# Altium PCB MANOPOLATORE_2040_ZERO.PcbDoc (part 2 of 2)
Units mil, origin at the board's own origin, x right, y up, seen from the top; angles counter-clockwise.
Board outline 5708.66 x 5708.66 mil, 2 copper layers (Top Layer, Bottom Layer), stack 65.792 mil thick; 147 components, 98 nets, 664 pads, 80 vias.
Unrouted connection lines stored in the file: 75.
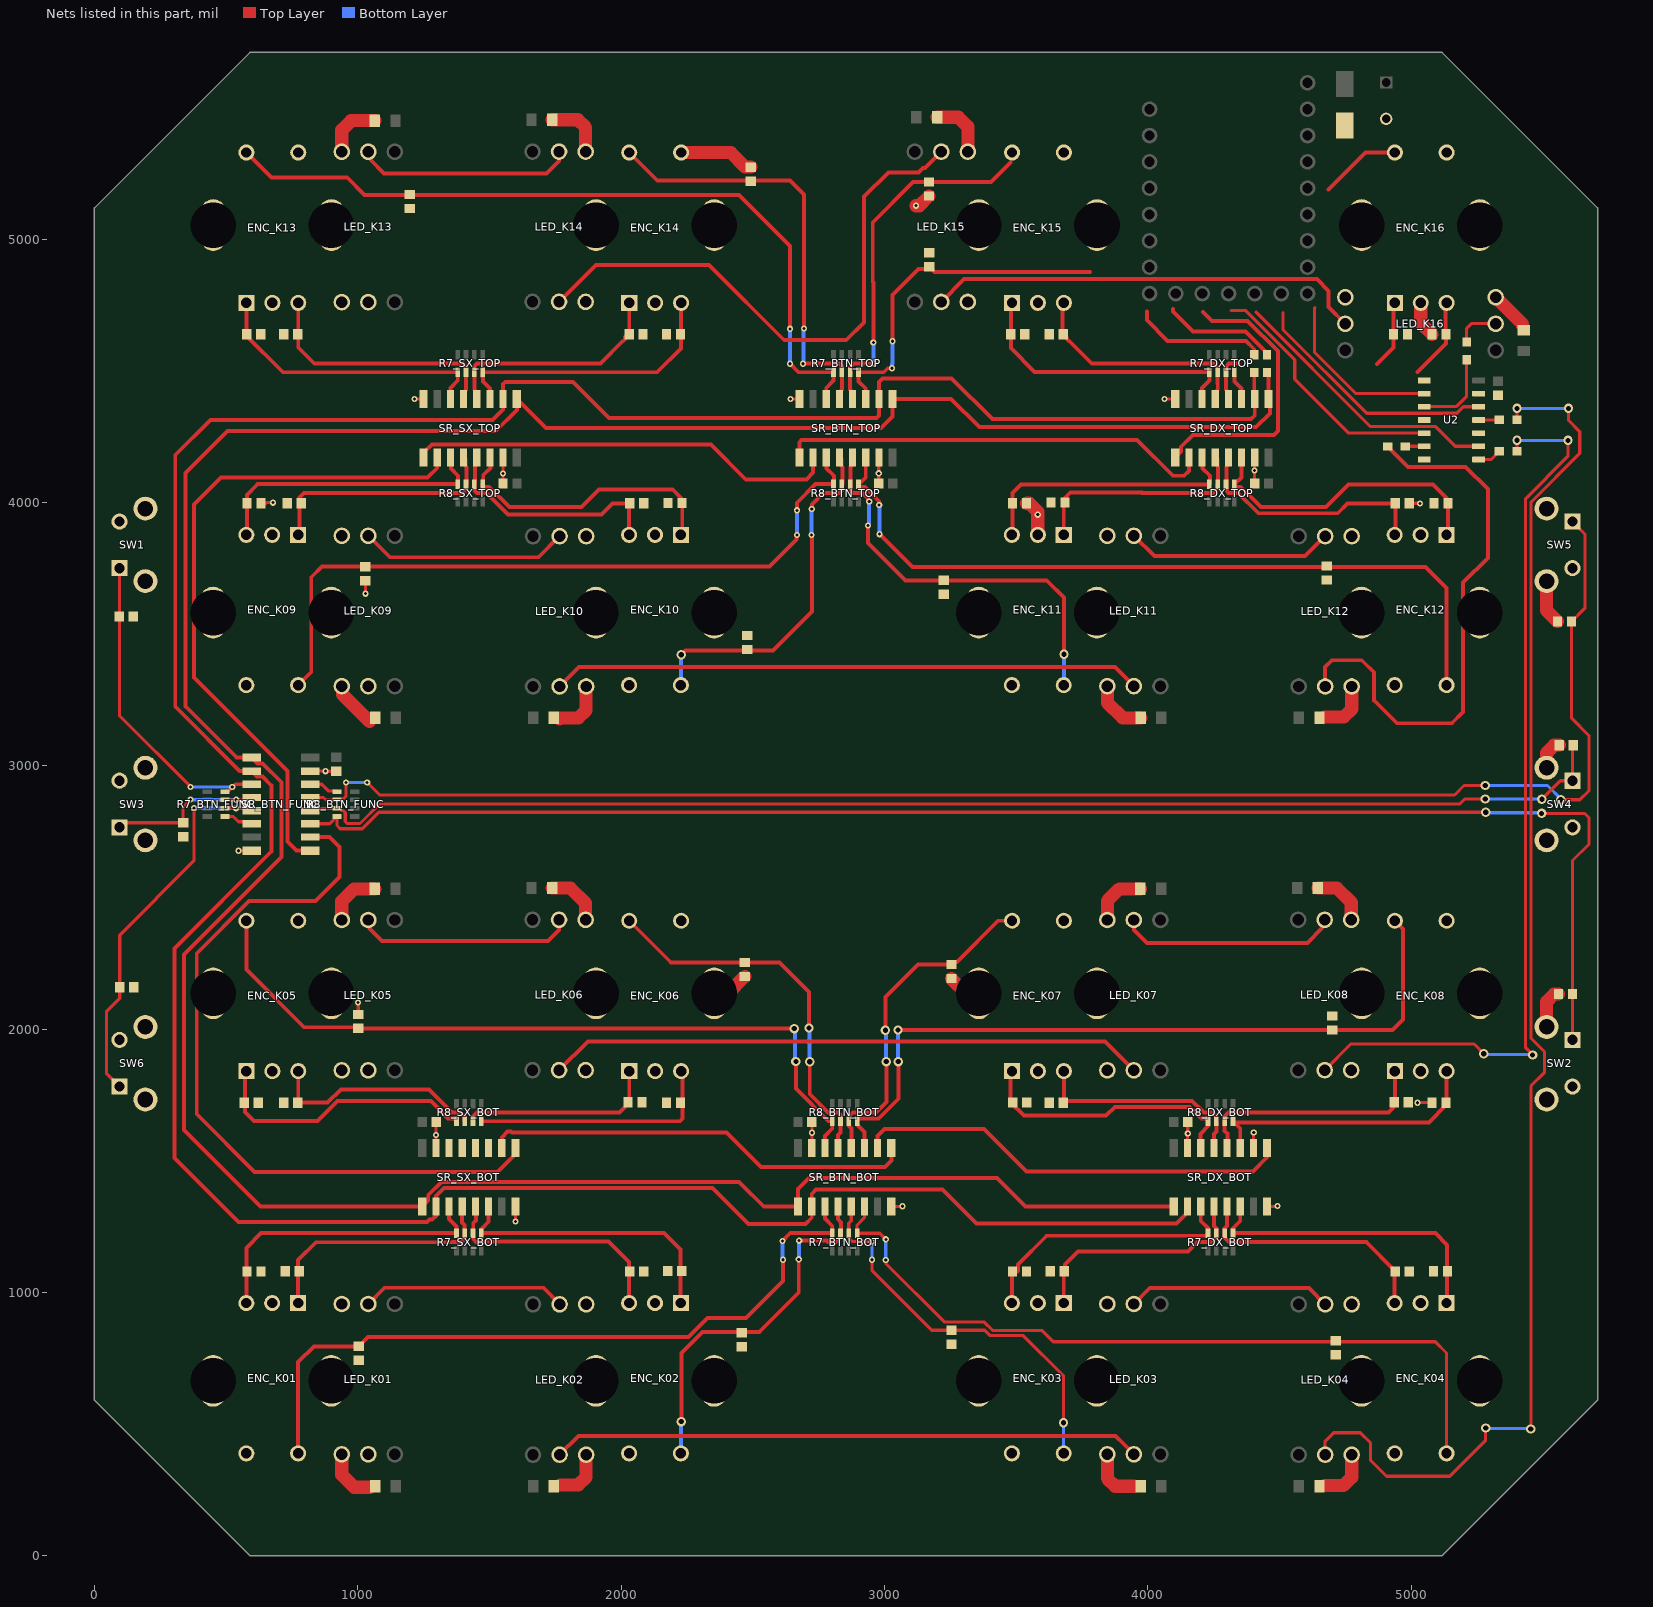
[diagram p2: the nets of this part, all layers, seen from the top]

## Via types
v1: diameter 23.62, hole 11.81, Top Layer to Bottom Layer, tented both sides, 54 vias
v2: diameter 35.43, hole 19.68, Top Layer to Bottom Layer, tented both sides, 26 vias

## Nets (pads, with @x,y where several pads share a name; then routed paths per layer and width w, separated by ;. In a path a pad name is that pad's centre, name@x,y a point inside that pad or via, vN(x,y) a via of type N, cw(c..) or ccw(c..) an arc to the next point about the centre after c; other vN are vias at no path point) (continued)
CP: R3.2 SR_BTN_BOT.2 SR_BTN_FUNC.2 SR_BTN_TOP.2 SR_DX_BOT.2 SR_DX_TOP.2 SR_SX_BOT.2 SR_SX_TOP.2 | length 12012.3
  Top Layer w15: SR_BTN_FUNC.2@597.09,2979.33 551.93,2979.33 307.2,3224.06 307.2,4179.41 441.06,4313.27 1512.24,4313.27 1552.17,4353.19 SR_SX_TOP.2@1552.17,4392.72 1552.17,4448.81 1560.95,4457.6 1817.72,4457.6 1954.53,4320.79 2970.54,4320.79 2979.33,4329.57 SR_BTN_TOP.2@2979.33,4392.72 2979.33,4457.72 2992.71,4471.09 3254.69,4471.09 3409.84,4315.94 4393.07,4315.94 4406.5,4329.37 SR_DX_TOP.2@4406.5,4392.72 4404.65,4394.57 R3.2@4404.65,4493.07 ; SR_BTN_FUNC.2@597.44,2979.33 618.16,2958.61 638.31,2958.61 671.81,2925.11 671.81,2673.9 304.33,2306.42 304.33,1510.67 547.64,1267.36 1263.21,1267.36 1271.85,1276 1282.67,1276 1297.17,1290.5 SR_SX_BOT.2@1297.17,1325.94 1297.17,1365.83 1327.95,1396.61 2347.01,1396.61 2483.5,1260.12 2701.1,1260.12 2724.33,1283.35 2724.33,1373.9 2740.98,1390.55 3220.63,1390.55 3350.2,1260.98 4109.72,1260.98 4151.5,1302.76 SR_DX_BOT.2@4151.5,1325.94
DI_0: LED_K16.2 R1.2 | length 169.8
  Top Layer w12: R1.2@5211.1,4608.9 5211.1,4660.83 5229.13,4678.86 5320.51,4678.86 LED_K16.2@5321.22,4678.15
DI_1: LED_K12.2 R4.2 | length 2120.3
  Top Layer w15: LED_K12.2@4673.94,3300.83 4673.94,3374.88 4699.45,3400.39 4812.95,3400.39 4860.28,3353.07 4860.28,3247.64 4946.77,3161.14 5154.78,3161.14 5198.12,3204.48 5198.12,3694.93 5292.17,3788.98 5292.17,4049.94 5207.27,4134.85 4988.34,4134.85 R4.2@4911.1,4212.09
DI_2: LED_K08.2 R5.2 | length 3495.1
  Top Layer w12: LED_K08.2@4671.97,1843.88 4771.08,1943 5239.41,1943 v2(5276.54,1905.87) ; v2(5402.32,4235.63) 5402.32,4193.9 R5.2@5402.44,4193.78 ; v2(5461.93,1901.57) 5435.24,1928.27 5435.24,4014.41 5595.83,4175 v2(5595.83,4235.43)
  Bottom Layer w12: v2(5276.54,1905.87) 5278.68,1903.72 5459.78,1903.72 v2(5461.93,1901.57) ; v2(5402.32,4235.63) 5402.42,4235.53 5595.73,4235.53 v2(5595.83,4235.43)
DI_3: LED_K04.2 R6.2 | length 5309.6
  Top Layer w12: LED_K04.2@4673.94,383.43 4673.94,434.8 4705.87,466.73 4807.76,466.73 4846.06,428.43 4846.06,362.4 4906.73,301.73 5147.28,301.73 5283.46,437.91 v2(5283.46,484.53) ; R6.2@5402.56,4313.5 v2(5402.56,4356.77) ; v2(5454.37,480.91) 5455.49,482.02 5455.49,1784.19 5507.24,1835.94 5507.24,1912.91 5455.49,1964.67 5455.49,4000.93 5641.06,4186.51 5641.06,4268.62 5598.19,4311.5 v2(5598.19,4356.97)
  Bottom Layer w12: v2(5283.46,484.53) 5285.28,482.72 5452.56,482.72 v2(5454.37,480.91) ; v2(5402.56,4356.77) 5597.99,4356.77 v2(5598.19,4356.97)
GND: C1_K01.1 C1_K02.1 C1_K03.1 C1_K04.1 C1_K05.1 C1_K06.1 C1_K07.1 C1_K08.1 C1_K09.1 C1_K10.1 C1_K11.1 C1_K12.1 C1_K13.1 C1_K14.1 C1_K15.1 C1_K16.1 C2_K01.1 C2_K02.1 C2_K03.1 C2_K04.1 C2_K05.1 C2_K06.1 C2_K07.1 C2_K08.1 C2_K09.1 C2_K10.1 C2_K11.1 C2_K12.1 C2_K13.1 C2_K14.1 C2_K15.1 C2_K16.1 C3_K01.1 C3_K02.1 C3_K03.1 C3_K04.1 C3_K05.1 C3_K06.1 C3_K07.1 C3_K08.1 C3_K09.1 C3_K10.1 C3_K11.1 C3_K12.1 C3_K13.1 C3_K14.1 C3_K15.1 C3_K16.1 C4_K01.1 C4_K02.1 C4_K03.1 C4_K04.1 C4_K05.1 C4_K06.1 C4_K07.1 C4_K08.1 C4_K09.1 C4_K10.1 C4_K11.1 C4_K12.1 C4_K13.1 C4_K14.1 C4_K15.1 C4_K16.1 C5.1 C6.N C7_BTN_BOT.1 C7_BTN_FUNC.1 C7_BTN_TOP.1 C7_DX_BOT.1 C7_DX_TOP.1 C7_SX_BOT.1 C7_SX_TOP.1 C8.1 C9.1 C10.1 C11.1 C12.1 C13.1 D1.1 ENC_K01.2 ENC_K01.3 ENC_K01.4 ENC_K01.C ENC_K02.2 ENC_K02.3 ENC_K02.4 ENC_K02.C ENC_K03.2 ENC_K03.3 ENC_K03.4 ENC_K03.C ENC_K04.2 ENC_K04.3 ENC_K04.4 ENC_K04.C ENC_K05.2 ENC_K05.3 ENC_K05.4 ENC_K05.C ENC_K06.2 ENC_K06.3 ENC_K06.4 ENC_K06.C ENC_K07.2 ENC_K07.3 ENC_K07.4 ENC_K07.C ENC_K08.2 ENC_K08.3 ENC_K08.4 ENC_K08.C ENC_K09.2 ENC_K09.3 ENC_K09.4 ENC_K09.C ENC_K10.2 ENC_K10.3 ENC_K10.4 ENC_K10.C ENC_K11.2 ENC_K11.3 ENC_K11.4 ENC_K11.C ENC_K12.2 ENC_K12.3 ENC_K12.4 ENC_K12.C ENC_K13.2 ENC_K13.3 ENC_K13.4 ENC_K13.C ENC_K14.2 ENC_K14.3 ENC_K14.4 ENC_K14.C ENC_K15.2 ENC_K15.3 ENC_K15.4 ENC_K15.C ENC_K16.2 ENC_K16.3 ENC_K16.4 ENC_K16.C LED_K01.3 LED_K01.6 LED_K02.3 LED_K02.6 LED_K03.3 LED_K03.6 LED_K04.3 LED_K04.6 LED_K05.3 LED_K05.6 LED_K06.3 LED_K06.6 LED_K07.3 LED_K07.6 LED_K08.3 LED_K08.6 LED_K09.3 LED_K09.6 LED_K10.3 LED_K10.6 LED_K11.3 LED_K11.6 LED_K12.3 LED_K12.6 LED_K13.3 LED_K13.6 LED_K14.3 LED_K14.6 LED_K15.3 LED_K15.6 LED_K16.3 LED_K16.6 SR_BTN_BOT.8 SR_BTN_BOT.15 SR_BTN_FUNC.8 SR_BTN_FUNC.15 SR_BTN_TOP.8 SR_BTN_TOP.15 SR_DX_BOT.8 SR_DX_BOT.10 SR_DX_BOT.15 SR_DX_TOP.8 SR_DX_TOP.15 SR_SX_BOT.8 SR_SX_BOT.15 SR_SX_TOP.8 SR_SX_TOP.15 SW1.2 SW1.3 SW1.4 SW2.2 SW2.3 SW2.4 SW3.2 SW3.3 SW3.4 SW4.2 SW4.3 SW4.4 SW5.2 SW5.3 SW5.4 SW6.2 SW6.3 SW6.4 U2.1 U2.4 U2.7 U2.10 U2.13 | length 5930.2
  Top Layer w12: v1(547.83,2677.09) 597.17,2677.09 SR_BTN_FUNC.8@597.44,2677.36 ; C3_K09.1@632.52,3996.42 651.23,3996.42 653.71,3998.9 v1(678.03,3998.9) ; SR_BTN_FUNC.15@819.88,2979.33 819.98,2979.23 877.7,2979.23 877.97,2978.96 918.13,2978.96 C7_BTN_FUNC.1@918.31,2978.78 ; v1(1000.91,2100.91) 1002.24,2099.57 C2_K05.1@1002.24,2055.43 ; C2_K09.1@1029.06,3702.56 1029.06,3653.58 v1(1029.33,3653.31) ; v1(1215.35,4392.8) 1215.43,4392.72 SR_SX_TOP.8@1250.2,4392.72 ; SR_SX_BOT.15@1297.17,1548.39 1297.17,1597.32 v1(1297.72,1597.87) C7_SX_BOT.1@1297.72,1646.81 ; C7_SX_TOP.1@1551.61,4071.85 v1(1551.61,4109.69) 1551.61,4169.72 SR_SX_TOP.15@1552.17,4170.28 ; v1(1598.86,1268.58) 1599.13,1268.86 SR_SX_BOT.8@1599.13,1325.94 ; v1(2643.19,4392.56) 2643.35,4392.72 SR_BTN_TOP.8@2677.36,4392.72 ; SR_BTN_BOT.15@2724.33,1548.39 2724.88,1548.94 v1(2724.88,1606.22) C7_BTN_BOT.1@2724.88,1646.81 ; C7_BTN_TOP.1@2978.78,4071.85 v1(2978.78,4110.31) 2978.78,4169.72 SR_BTN_TOP.15@2979.33,4170.28 ; SR_BTN_BOT.8@3026.3,1325.94 3068.5,1325.94 v1(3069.33,1326.77) ; v1(4063.86,4392.6) 4063.98,4392.72 SR_DX_TOP.8@4104.53,4392.72 ; SR_DX_BOT.15@4151.5,1548.39 4151.5,1602.8 v1(4152.4,1603.7) 4152.05,1604.06 C7_DX_BOT.1@4152.05,1646.81 ; SR_DX_BOT.10@4401.5,1548.39 4401.5,1606.22 v1(4402.76,1607.48) ; C7_DX_TOP.1@4405.94,4071.85 v1(4405.94,4120.79) 4405.94,4169.72 SR_DX_TOP.15@4406.5,4170.28 ; SR_DX_BOT.8@4453.46,1325.94 4491.1,1325.94 v1(4493.19,1328.03) ; C3_K12.1@4993.62,3996.42 5034.17,3996.42 v1(5034.41,3996.18) ; v1(5024.92,1720.04) 5025.43,1720.55 C3_K08.1@5079.81,1720.55
  Top Layer w50: LED_K01.6@939.56,384.82 939.56,307.29 987.2,259.65 1046.02,259.65 ; LED_K05.3@939.53,2413.98 939.53,2485.43 986.26,2532.17 C4_K05.1@1065,2532.17 ; LED_K09.6@939.56,3302.22 942.05,3299.73 942.05,3270.51 1045.12,3167.44 ; LED_K13.3@939.53,5331.38 939.53,5413.74 975.35,5449.57 C4_K13.1@1065,5449.57 ; C4_K06.1@1738.94,2535.55 1807.8,2535.55 1865.36,2477.99 LED_K06.6@1865.36,2414.75 ; C4_K14.1@1738.94,5452.95 1836.07,5452.95 1865.36,5423.66 LED_K14.6@1865.36,5332.15 ; 1765.79,3177.99 1768.82,3181.02 1838.03,3181.02 1867.32,3210.31 LED_K10.3@1867.32,3300.83 ; 1767.95,268.66 1838.03,268.66 1867.32,297.95 LED_K02.3@1867.32,383.43 ; ENC_K14.2@2227.99,5328.54 2416.44,5328.54 2471.95,5273.03 C2_K14.1@2492.64,5273.03 ; ENC_K06.4@2353.98,2135.55 2406.42,2135.55 C2_K06.1@2470.47,2199.61 ; v1(3120.24,5126.65) 3132.8,5126.65 C2_K15.1@3169.57,5163.43 ; C4_K15.1@3200.51,5462.6 3281.34,5462.6 3317.13,5426.81 LED_K15.6@3317.13,5331.85 ; C2_K07.1@3254.84,2191.73 3311.02,2135.55 ENC_K07.3@3358.86,2135.55 ; C3_K11.1@3539.92,3996.42 3550.47,3996.42 3582.48,3964.41 v1(3582.48,3953.23) 3582.48,3876.97 ENC_K11.C@3582.75,3876.69 ; LED_K03.6@3846.97,384.82 3846.97,292.87 3876.26,263.58 3948.43,263.58 3949.92,262.09 ; LED_K07.3@3846.93,2413.98 3846.93,2486.38 3892.72,2532.17 C4_K07.1@3972.4,2532.17 ; LED_K11.6@3846.97,3302.22 3846.97,3239.14 3904.68,3181.42 C4_K11.1@3973.38,3181.42 ; C4_K08.1@4646.34,2535.55 4717.99,2535.55 4772.76,2480.79 LED_K08.6@4772.76,2414.75 ; 4672.36,266.57 4744.02,266.57 4774.72,297.28 LED_K04.3@4774.72,383.43 ; 4672.4,3185.47 4745.44,3185.47 4774.72,3214.76 LED_K12.3@4774.72,3300.83 ; LED_K16.6@4750.35,4778.94 LED_K16.6@4750.96,4778.33 ; ENC_K16.C@5036.97,4757.68 5036.97,4680.79 C3_K16.1@5079.81,4637.95 ; LED_K16.3@5321.22,4778.94 5422.52,4677.64 5422.52,4674.21 ; SW2.3@5514.76,2007.87 5514.76,2103.66 5544.05,2132.95 C9.1@5560.16,2132.95 ; SW4.3@5514.76,2992.13 5514.76,3048.74 5544.05,3078.03 C11.1@5563.23,3078.03 ; SW5.4@5514.76,3700.79 5514.76,3589.13 C12.1@5556.54,3547.36
  other v1: 877.8,2979.13
NetC1_K01_2: C1_K01.2 ENC_K01.A R7_SX_BOT.3 SR_SX_BOT.4 | length 958
  Top Layer w15: ENC_K01.A@773.78,959.29 773.78,1079.02 773.78,1122.75 841.34,1190.32 1359.1,1190.32 1359.64,1190.85 1396.27,1190.85 1406.42,1201 1406.42,1254.96 1396.34,1265.04 1396.34,1325.12 SR_SX_BOT.4@1397.17,1325.94
NetC1_K02_2: C1_K02.2 ENC_K02.A R7_SX_BOT.1 SR_SX_BOT.6 | length 1099
  Top Layer w15: SR_SX_BOT.6@1497.17,1325.94 1497.17,1268.07 1469.41,1240.31 R7_SX_BOT.1@1469.41,1224.57 2163.98,1224.57 2225.32,1163.23 2225.32,961.45 ENC_K02.A@2227.48,959.29
NetC1_K03_2: C1_K03.2 ENC_K03.A R7_DX_BOT.3 SR_DX_BOT.4 | length 887.4
  Top Layer w15: ENC_K03.A@3681.18,959.29 C1_K03.2@3681.18,1080.19 ; C1_K03.2@3686.18,1079.02 3686.18,1105.39 3735.67,1154.88 4152.33,1154.88 4188.31,1190.85 4236.46,1190.85 4236.95,1191.35 4244.53,1191.35 4259.03,1205.85 4260.75,1205.85 R7_DX_BOT.3@4260.75,1224.57 4260.75,1243.28 4251.5,1252.54 SR_DX_BOT.4@4251.5,1325.94
NetC1_K04_2: C1_K04.2 ENC_K04.A R7_DX_BOT.1 SR_DX_BOT.6 | length 1167
  Top Layer w15: SR_DX_BOT.6@4351.5,1325.94 4351.5,1271.04 4323.74,1243.28 R7_DX_BOT.1@4323.74,1224.57 5093.27,1224.57 5137.4,1180.43 5137.4,961.81 ENC_K04.A@5134.88,959.29
NetC1_K05_2: C1_K05.2 ENC_K05.A R8_SX_BOT.1 SR_SX_BOT.14 | length 1039.4
  Top Layer w15: ENC_K05.A@577.44,1840.28 571.38,1834.21 571.38,1684.37 605.87,1649.88 847.61,1649.88 923.75,1726.02 1277.83,1726.02 1343.37,1660.48 1364.21,1660.48 R8_SX_BOT.1@1374.92,1649.76
NetC1_K06_2: C1_K06.2 ENC_K06.A R8_SX_BOT.3 SR_SX_BOT.12 | length 753.9
  Top Layer w15: R8_SX_BOT.3@1437.91,1649.76 1437.91,1668.48 1452.41,1682.98 1994.67,1682.98 2031.14,1719.45 ENC_K06.A@2031.14,1840.28
NetC1_K07_2: C1_K07.2 ENC_K07.A R8_DX_BOT.1 SR_DX_BOT.14 | length 1048
  Top Layer w15: ENC_K07.A@3484.84,1840.28 3479.84,1835.28 3479.84,1720.55 3529.65,1670.75 3841.63,1670.75 3875.29,1704.41 4159.02,1704.41 4181.06,1682.37 4181.06,1682.24 4203.31,1659.98 4227.89,1659.98 4229.25,1658.62 R8_DX_BOT.1@4229.25,1649.76 4229.25,1631.05 4199.8,1601.6 4199.8,1550.08 SR_DX_BOT.14@4201.5,1548.39
NetC1_K08_2: C1_K08.2 ENC_K08.A R8_DX_BOT.3 SR_DX_BOT.12 | length 920.1
  Top Layer w15: SR_DX_BOT.12@4301.5,1548.39 4302.24,1549.13 4302.24,1603.07 4292.24,1613.07 R8_DX_BOT.3@4292.24,1649.76 4292.24,1668.48 4306.74,1682.98 4914.54,1682.98 4931.43,1699.87 4931.43,1713.43 4938.55,1720.55 ENC_K08.A@4938.55,1840.28
NetC1_K09_2: C1_K09.2 ENC_K09.A R8_SX_TOP.3 SR_SX_TOP.12 | length 916.6
  Top Layer w15: ENC_K09.A@773.78,3876.69 778.78,3881.69 778.78,3996.42 778.78,4017.81 796.48,4035.51 1401.27,4035.51 1411.42,4045.66 1411.42,4067.54 R8_SX_TOP.3@1412.78,4068.9 ; SR_SX_TOP.12@1403.86,4170.24 1410.14,4163.96 1410.14,4138.22 1413.42,4134.93 1413.42,4112.52 1413.11,4112.21 R8_SX_TOP.3@1413.11,4068.9
NetC1_K10_2: C1_K10.2 ENC_K10.A R8_SX_TOP.1 SR_SX_TOP.14 | length 1092.7
  Top Layer w15: R8_SX_TOP.1@1474.41,4068.9 1474.41,4060.4 1475.77,4059.04 1484.27,4059.04 1484.87,4058.43 1498.97,4058.43 1575.75,3981.65 1849.49,3981.65 1916.46,4048.62 2196.46,4048.62 2227.97,4017.1 2227.97,4000.92 2232.48,3996.42 2232.48,3881.69 ENC_K10.A@2227.48,3876.69 ; R8_SX_TOP.1@1476.1,4068.86 1476.1,4086.54 1476.86,4087.3 1476.86,4104.02 1503.86,4131.02 SR_SX_TOP.14@1503.86,4170.24
NetC1_K11_2: C1_K11.2 ENC_K11.A R8_DX_TOP.3 SR_DX_TOP.12 | length 861.5
  Top Layer w15: ENC_K11.A@3681.18,3876.69 3681.18,3991.42 3686.18,3996.42 3686.18,4017.1 3705.99,4036.92 3978,4036.92 3979.24,4035.68 4251.25,4035.68 4265.75,4050.18 4265.75,4067.54 R8_DX_TOP.3@4267.11,4068.9 ; SR_DX_TOP.12@4258.19,4170.24 4264.47,4163.96 4264.47,4138.22 4267.75,4134.93 4267.75,4112.52 4267.44,4112.21 R8_DX_TOP.3@4267.44,4068.9
NetC1_K12_2: C1_K12.2 ENC_K12.A R8_DX_TOP.1 SR_DX_TOP.14 | length 1168.8
  Top Layer w15: R8_DX_TOP.1@4328.74,4068.9 4328.74,4060.4 4330.1,4059.04 4338.6,4059.04 4339.2,4058.43 4353.3,4058.43 4430.08,3981.65 4676.38,3981.65 4762.4,4067.68 5084.06,4067.68 5134.63,4017.1 5134.63,4008.6 5138.11,4005.12 5146.61,4005.12 C1_K12.2@5146.61,3996.42 ; R8_DX_TOP.1@4330.43,4068.9 4356.5,4094.96 4356.5,4168.54 SR_DX_TOP.14@4358.19,4170.24 ; ENC_K12.A@5134.88,3876.69 5139.88,3881.69 C1_K12.2@5139.88,3996.42
NetC1_K13_2: C1_K13.2 ENC_K13.A R7_SX_TOP.1 SR_SX_TOP.6 | length 1101.7
  Top Layer w15: ENC_K13.A@577.44,4757.68 577.44,4642.95 572.44,4637.95 716.3,4494.09 R7_SX_TOP.1@1379.92,4494.09 1379.92,4461.93 1352.17,4434.17 SR_SX_TOP.6@1352.17,4392.72
NetC1_K14_2: C1_K14.2 ENC_K14.A R7_SX_TOP.3 SR_SX_TOP.4 | length 887.5
  Top Layer w15: SR_SX_TOP.4@1452.17,4392.72 1445.89,4399 1445.89,4425.48 1442.91,4428.45 1442.91,4517.17 1453.35,4527.6 1921.96,4527.6 2006.21,4611.85 2007.14,4611.85 2015.93,4620.63 2015.93,4627.74 2031.14,4642.95 ENC_K14.A@2031.14,4757.68
NetC1_K15_2: C1_K15.2 ENC_K15.A R7_DX_TOP.1 SR_DX_TOP.6 | length 1077
  Top Layer w15: ENC_K15.A@3480.39,4758.35 3480.39,4585.36 3570.98,4494.76 R7_DX_TOP.1@4233.98,4494.76 ; SR_DX_TOP.6@4206.5,4392.72 4206.5,4434.17 4234.25,4461.93 R7_DX_TOP.1@4234.25,4494.09
NetC1_K16_2: C1_K16.2 ENC_K16.A R7_DX_TOP.3 SR_DX_TOP.4 | length 438.3
  Top Layer w15: SR_DX_TOP.4@4306.5,4392.72 4300.22,4399 4300.22,4425.48 4297.24,4428.45 4297.24,4516.04 4308.52,4527.31 4344.02,4527.31 4345.15,4526.18 ; 4871.46,4526.18 4934.09,4588.82 4934.09,4638.62 ENC_K16.A@4934.09,4758.35
NetC2_K01_2: C2_K01.2 ENC_K01.1 R7_BTN_BOT.4 SR_BTN_BOT.3 | length 2782.2
  Top Layer w15: ENC_K01.1@773.78,388.43 773.78,734.92 833.58,794.72 C2_K01.2@1003.9,794.72 1039.01,829.83 2255.42,829.83 2328.5,902.91 2474.21,902.91 2614.72,1043.43 v1(2614.72,1123.66) ; v1(2612.8,1195.35) 2613.5,1195.35 2642.71,1224.57 R7_BTN_BOT.4@2802.09,1224.57 2802.09,1252.64 2774.33,1280.39 SR_BTN_BOT.3@2774.33,1325.94
  Bottom Layer w15: v1(2612.8,1195.35) 2613.76,1194.39 2613.76,1124.63 v1(2614.72,1123.66)
NetC2_K02_2: C2_K02.2 ENC_K02.1 R7_BTN_BOT.3 SR_BTN_BOT.4 | length 1410.5
  Top Layer w15: v2(2228.86,509.09) 2228.86,768.94 2308.74,848.82 2525,848.82 2674.91,998.73 v1(2674.91,1125.33) ; v1(2676.57,1196.34) 2781.82,1196.34 2786.81,1191.35 2817.37,1191.35 2826.44,1200.43 2826.44,1203.49 2833.58,1210.63 R7_BTN_BOT.3@2833.58,1224.57 2835.91,1226.89 2835.91,1265.98 2824.33,1277.56 SR_BTN_BOT.4@2824.33,1325.94
  Bottom Layer w15: ENC_K02.1@2227.48,388.43 2228.17,389.12 2228.17,508.4 v2(2228.86,509.09) ; v1(2674.91,1125.33) 2675.74,1126.16 2675.74,1195.51 v1(2676.57,1196.34)
NetC2_K03_2: C2_K03.2 ENC_K03.1 R7_BTN_BOT.2 SR_BTN_BOT.5 | length 1514.5
  Top Layer w12: SR_BTN_BOT.5@2874.33,1325.94 2874.33,1271.69 2864.84,1262.2 2864.84,1224.8 R7_BTN_BOT.2@2865.08,1224.57 2865.08,1205.85 2878.08,1192.85 2951.99,1192.85 v1(2952.44,1192.4) ; v1(2953.43,1123.66) 2953.43,1082.44 3179.65,856.22 3381.6,856.22 3402.31,835.51 3527.52,835.51 3680.55,682.48 v2(3680.55,505.08)
  Bottom Layer w12: v1(2952.44,1192.4) 2952.93,1191.91 2952.93,1124.15 v1(2953.43,1123.66) ; v2(3680.55,505.08) 3680.87,504.76 3680.87,388.74 ENC_K03.1@3681.18,388.43
NetC2_K04_2: C2_K04.2 ENC_K04.1 R7_BTN_BOT.1 SR_BTN_BOT.6 | length 2974.7
  Top Layer w12: SR_BTN_BOT.6@2924.33,1325.94 2924.33,1283.62 2896.57,1255.87 R7_BTN_BOT.1@2896.57,1224.57 2982.28,1224.57 v1(3005.63,1201.22) ; v1(3005.43,1123.08) 3005.63,1122.89 3005.63,1109.6 3227.22,888.02 3378.09,888.02 3410.6,855.51 3598.27,855.51 3641.1,812.68 5091.97,812.68 5134.88,769.77 ENC_K04.1@5134.88,388.43
  Bottom Layer w12: v1(3005.43,1123.08) 3005.53,1123.18 3005.53,1201.12 v1(3005.63,1201.22)
NetC2_K05_2: C2_K05.2 ENC_K05.1 R8_BTN_BOT.1 SR_BTN_BOT.14 | length 2889.5
  Top Layer w15: ENC_K05.1@577.44,2411.14 577.44,2225.39 796.06,2006.77 C2_K05.2@1002.24,2006.77 ; C2_K05.2@1002.24,2002.28 1703.17,2002.28 1704.04,2001.42 v2(2657.64,2001.42) ; v2(2663.9,1876.69) 2663.9,1773.86 2787.99,1649.76 R8_BTN_BOT.1@2802.09,1649.76 2802.09,1622.24 2774.33,1594.49 SR_BTN_BOT.14@2774.33,1548.39
  Bottom Layer w15: v2(2657.64,2001.42) 2660.77,1998.29 2660.77,1879.82 v2(2663.9,1876.69)
NetC2_K06_2: C2_K06.2 ENC_K06.1 R8_BTN_BOT.2 SR_BTN_BOT.13 | length 1462
  Top Layer w15: ENC_K06.1@2031.14,2411.14 2188.86,2253.43 C2_K06.2@2470.47,2253.43 ; C2_K06.2@2470.47,2252.76 2601.1,2252.76 2714.09,2139.76 v2(2714.09,2003.9) ; v2(2716.65,1875.47) 2716.65,1753.63 2786.81,1683.48 2824.8,1683.48 2833.58,1674.69 R8_BTN_BOT.2@2833.58,1649.76 2832.87,1649.06 2832.87,1606.22 2824.33,1597.68 SR_BTN_BOT.13@2824.33,1548.39
  Bottom Layer w15: v2(2714.09,2003.9) 2715.37,2002.62 2715.37,1876.75 v2(2716.65,1875.47)
NetC2_K07_2: C2_K07.2 ENC_K07.1 R8_BTN_BOT.3 SR_BTN_BOT.12 | length 1290.2
  Top Layer w15: SR_BTN_BOT.12@2874.33,1548.39 2874.61,1548.66 2874.61,1621.52 2865.08,1631.05 R8_BTN_BOT.3@2865.08,1649.76 2865.08,1668.48 2880.07,1683.48 2968.67,1683.48 3007.76,1722.56 3007.76,1875.63 v2(3007.32,1876.06) ; v2(3003.98,1995.59) 3003.98,2120.79 3128.07,2244.88 C2_K07.2@3254.84,2244.88 3264.35,2254.39 3275.53,2254.39 3432.28,2411.14 ENC_K07.1@3484.84,2411.14
  Bottom Layer w15: v2(3003.98,1995.59) 3005.65,1993.92 3005.65,1877.74 v2(3007.32,1876.06)
NetC2_K08_2: C2_K08.2 ENC_K08.1 R8_BTN_BOT.4 SR_BTN_BOT.11 | length 2887.2
  Top Layer w15: SR_BTN_BOT.11@2924.33,1548.39 2924.33,1608.98 2896.57,1636.73 R8_BTN_BOT.4@2896.57,1649.76 2906.14,1659.33 2977.05,1659.33 3052.99,1735.27 v2(3052.99,1876.06) ; v2(3051.81,1996.02) 3051.95,1996.16 4699.63,1996.16 4700.43,1996.97 4929.49,1996.97 4969.06,2036.54 4969.06,2380.63 ENC_K08.1@4938.55,2411.14
  Bottom Layer w15: v2(3051.81,1996.02) 3052.4,1995.43 3052.4,1876.65 v2(3052.99,1876.06)
NetC2_K09_2: C2_K09.2 ENC_K09.1 R8_BTN_TOP.4 SR_BTN_TOP.11 | length 2754
  Top Layer w15: ENC_K09.1@773.78,3305.83 823.58,3355.63 823.58,3715.59 863.66,3755.67 C2_K09.2@1029.06,3755.71 2563.43,3755.67 2666.89,3859.13 2666.89,3875.32 v1(2668.11,3876.54) ; v1(2668.11,3969.72) 2668.11,3998.39 2738.62,4068.9 R8_BTN_TOP.4@2807.09,4068.9 ; SR_BTN_TOP.11@2781.02,4170.24 2781.02,4128.78 2808.78,4101.02 R8_BTN_TOP.4@2808.78,4068.86
  Bottom Layer w15: v1(2668.11,3876.54) v1(2668.11,3969.72)
NetC2_K10_2: C2_K10.2 ENC_K10.1 R8_BTN_TOP.3 SR_BTN_TOP.12 | length 1353.4
  Top Layer w15: v2(2228.82,3421.06) 2245.63,3437.87 2577.76,3437.87 2724.61,3584.72 2724.61,3875.31 v1(2723.39,3876.54) ; v1(2724.41,3974.84) 2724.61,3975.04 2724.61,3992.56 2767.56,4035.51 2828.44,4035.51 2838.58,4045.66 2838.58,4067.54 R8_BTN_TOP.3@2839.94,4068.9 ; SR_BTN_TOP.12@2831.02,4170.24 2837.3,4163.96 2837.3,4138.22 2840.59,4134.93 2840.59,4112.52 2840.28,4112.21 R8_BTN_TOP.3@2840.28,4068.9
  Bottom Layer w15: ENC_K10.1@2227.48,3305.83 2228.15,3306.5 2228.15,3420.39 v2(2228.82,3421.06) ; v1(2723.39,3876.54) 2723.9,3877.05 2723.9,3974.33 v1(2724.41,3974.84)
NetC2_K11_2: C2_K11.2 ENC_K11.1 R8_BTN_TOP.2 SR_BTN_TOP.13 | length 1544.9
  Top Layer w15: R8_BTN_TOP.2@2870.08,4068.9 2871.44,4067.54 2871.44,4044.22 2880.22,4035.43 2916.61,4035.43 2937.56,4014.48 2937.56,4010.72 2942.46,4005.82 v1(2942.46,4003.48) ; R8_BTN_TOP.2@2871.77,4068.9 2871.77,4134.5 2874.74,4137.47 2874.74,4163.96 SR_BTN_TOP.13@2881.02,4170.24 ; v1(2937.36,3912.36) 2937.36,3846.06 3079.72,3703.7 3616.65,3703.7 3681.93,3638.43 v2(3681.93,3423.5)
  Bottom Layer w15: v1(2937.36,3912.36) 2937.36,3914.7 2942.46,3919.79 v1(2942.46,4003.48) ; ENC_K11.1@3681.18,3305.83 3681.55,3306.2 3681.55,3423.13 v2(3681.93,3423.5)
NetC2_K12_2: C2_K12.2 ENC_K12.1 R8_BTN_TOP.1 SR_BTN_TOP.14 | length 2955.3
  Top Layer w15: R8_BTN_TOP.1@2901.57,4068.9 2901.57,4060.4 2902.93,4059.04 2911.43,4059.04 2912.04,4058.43 2926.13,4058.43 2980.35,4004.21 v1(2980.35,3990.2) ; R8_BTN_TOP.1@2903.27,4068.9 2929.33,4094.96 2929.33,4168.54 SR_BTN_TOP.14@2931.02,4170.24 ; v1(2981.99,3879.19) 3107.17,3754.01 5055.08,3754.01 5134.88,3674.21 ENC_K12.1@5134.88,3305.83
  Bottom Layer w15: v1(2980.35,3990.2) 2981.17,3989.38 2981.17,3880.01 v1(2981.99,3879.19)
NetC2_K13_2: C2_K13.2 ENC_K13.1 R7_BTN_TOP.1 SR_BTN_TOP.6 | length 2951.2
  Top Layer w15: ENC_K13.1@577.44,5328.54 672.05,5233.94 960.24,5233.94 1026.26,5167.91 1197.28,5167.91 2448.19,5167.91 2642.05,4974.06 v1(2642.05,4659.06) ; v1(2641.42,4526.54) 2673.86,4494.09 R7_BTN_TOP.1@2807.09,4494.09 2807.09,4461.93 2779.33,4434.17 SR_BTN_TOP.6@2779.33,4392.72
  Bottom Layer w15: v1(2641.42,4526.54) 2641.73,4526.85 2641.73,4658.74 v1(2642.05,4659.06)
NetC2_K14_2: C2_K14.2 ENC_K14.1 R7_BTN_TOP.2 SR_BTN_TOP.5 | length 1653.8
  Top Layer w15: ENC_K14.1@2031.14,5328.54 2137.48,5222.2 2608.85,5222.2 2609.32,5221.73 2641.85,5221.73 2694.33,5169.25 v1(2694.33,4660.55) ; v1(2691.22,4526.54) 2692.13,4527.44 2828.44,4527.44 2838.58,4517.3 R7_BTN_TOP.2@2838.58,4494.09 2838.58,4450.74 2838.9,4450.43 2838.9,4428.02 2835.61,4424.74 2835.61,4399 SR_BTN_TOP.5@2829.33,4392.72
  Bottom Layer w15: v1(2691.22,4526.54) 2692.78,4528.09 2692.78,4659 v1(2694.33,4660.55)
NetC2_K15_2: C2_K15.2 ENC_K15.1 R7_BTN_TOP.3 SR_BTN_TOP.4 | length 1374.6
  Top Layer w15: SR_BTN_TOP.4@2879.33,4392.72 2873.05,4399 2873.05,4425.48 2870.08,4428.45 2870.08,4512.81 2884.87,4527.6 v1(2959.68,4527.6) ; v1(2958.11,4606.97) 2958.11,4835.18 2955.87,4837.43 2955.87,5063.31 3109.13,5216.57 C2_K15.2@3169.57,5216.57 3405.75,5216.57 3479.53,5290.36
  Bottom Layer w15: v1(2958.11,4606.97) 2958.89,4606.18 2958.89,4528.38 v1(2959.68,4527.6)
NetC2_K16_2: C2_K16.2 ENC_K16.1 R7_BTN_TOP.4 SR_BTN_TOP.3 | length 1636.6
  Top Layer w15: SR_BTN_TOP.3@2929.33,4392.72 2929.33,4431.93 2902.33,4458.93 2902.33,4475.65 2901.57,4476.41 R7_BTN_TOP.4@2901.57,4494.09 2997.76,4494.09 3012.88,4509.22 v1(3029.29,4509.22) ; v1(3031.06,4611.97) 3031.06,4787.95 3129.13,4886.02 C2_K16.2@3169.88,4886.02 ; C2_K16.2@3169.88,4894.88 3174.31,4890.45 3176.28,4890.45 3182.07,4884.67 3182.07,4883.71 3190.85,4874.92 3781.46,4874.92 ; 4686.42,5187.87 4827.09,5328.54 ENC_K16.1@4938.55,5328.54
  Bottom Layer w15: v1(3029.29,4509.22) 3029.29,4525.63 3031.06,4527.4 v1(3031.06,4611.97)
NetC3_K01_2: C3_K01.2 ENC_K01.B R7_SX_BOT.4 SR_SX_BOT.3 | length 1143.5
  Top Layer w15: ENC_K01.B@576.93,959.29 576.93,1168.82 632.68,1224.57 R7_SX_BOT.4@1374.92,1224.57 1374.68,1224.8 1374.68,1250.63 1347.17,1278.15 SR_SX_BOT.3@1347.17,1325.94
NetC3_K02_2: C3_K02.2 ENC_K02.B R7_SX_BOT.2 SR_SX_BOT.5 | length 913.3
  Top Layer w15: SR_SX_BOT.5@1447.17,1325.94 1448.46,1324.65 1448.46,1272.28 1438.82,1262.64 1438.82,1202.27 1449.74,1191.35 1484.69,1191.35 1486.37,1193.03 1952.6,1193.03 2030.63,1115 2030.63,1079.02 ENC_K02.B@2030.63,959.29
NetC3_K03_2: C3_K03.2 ENC_K03.B R7_DX_BOT.4 SR_DX_BOT.3 | length 1051
  Top Layer w15: ENC_K03.B@3484.33,959.29 3484.33,1076.57 C3_K03.2@3486.77,1079.02 3505.49,1079.02 3506.7,1080.23 3506.7,1105.12 3616.58,1215 4219.69,1215 R7_DX_BOT.4@4229.25,1224.57 4228.5,1225.32 4228.5,1244.26 4201.5,1271.26 SR_DX_BOT.3@4201.5,1325.94
NetC3_K04_2: C3_K04.2 ENC_K04.B R7_DX_BOT.2 SR_DX_BOT.5 | length 943.3
  Top Layer w15: SR_DX_BOT.5@4301.5,1325.94 4301.5,1252.54 4292.24,1243.28 R7_DX_BOT.2@4292.24,1224.57 4292.24,1207.87 4299.38,1200.74 4299.38,1200.43 4308.96,1190.85 4830.09,1190.85 4938.03,1082.92 ENC_K04.B@4938.03,959.29
NetC3_K05_2: C3_K05.2 ENC_K05.B R8_SX_BOT.2 SR_SX_BOT.13 | length 837.3
  Top Layer w15: ENC_K05.B@774.29,1840.28 774.29,1722.99 C3_K05.2@771.85,1720.55 885.75,1720.55 936.14,1770.94 1271.3,1770.94 1358.77,1683.48 1391.42,1683.48 1406.42,1668.48 R8_SX_BOT.2@1406.42,1649.76
NetC3_K06_2: C3_K06.2 ENC_K06.B R8_SX_BOT.4 SR_SX_BOT.11 | length 951.6
  Top Layer w15: R8_SX_BOT.4@1469.41,1649.76 2223.58,1649.76 2234.13,1660.32 2234.13,1834.14 ENC_K06.B@2227.99,1840.28
NetC3_K07_2: C3_K07.2 ENC_K07.B R8_DX_BOT.2 SR_DX_BOT.13 | length 847.5
  Top Layer w15: C3_K07.2@3679.25,1720.55 3688.82,1730.12 3688.82,1728.06 3689.47,1727.41 4168.55,1727.41 4204.06,1691.9 4204.06,1691.77 4212.84,1682.98 4248.14,1682.98 4256.93,1674.19 4256.93,1668.77 4259.39,1666.31 4259.39,1651.12 R8_DX_BOT.2@4260.75,1649.76 4260.75,1610.87 4251.5,1601.61 SR_DX_BOT.13@4251.5,1548.39 ; C3_K07.2@3681.69,1730.12 ENC_K07.B@3681.69,1840.28
NetC3_K08_2: C3_K08.2 ENC_K08.B R8_DX_BOT.4 SR_DX_BOT.11 | length 1068.2
  Top Layer w15: SR_DX_BOT.11@4351.5,1548.39 4351.5,1622.01 4328.74,1644.76 5067.48,1644.76 5135.4,1712.68 ENC_K08.B@5135.4,1840.28
NetC3_K09_2: C3_K09.2 ENC_K09.B R8_SX_TOP.4 SR_SX_TOP.11 | length 1084.9
  Top Layer w15: ENC_K09.B@576.93,3876.69 579.37,3879.13 C3_K09.2@579.37,3996.42 ; C3_K09.2@579.14,3996.42 579.14,4028.51 619.49,4068.86 1381.61,4068.86 1381.61,4101.02 1353.86,4128.78 SR_SX_TOP.11@1353.86,4170.24
NetC3_K10_2: C3_K10.2 ENC_K10.B R8_SX_TOP.2 SR_SX_TOP.13 | length 894.7
  Top Layer w15: R8_SX_TOP.2@1442.91,4068.9 1444.27,4067.54 1444.27,4044.22 1453.06,4035.43 1489.44,4035.43 1570.66,3954.21 1925.28,3954.21 1967.48,3996.42 C3_K10.2@2033.07,3996.42 2030.63,3993.98 ENC_K10.B@2030.63,3876.69 ; R8_SX_TOP.2@1444.61,4068.9 1444.61,4134.5 1447.58,4137.47 1447.58,4163.96 SR_SX_TOP.13@1453.86,4170.24
NetC3_K11_2: C3_K11.2 ENC_K11.B R8_DX_TOP.4 SR_DX_TOP.11 | length 1033
  Top Layer w15: ENC_K11.B@3484.33,3876.69 3486.77,3879.13 3486.77,4034.92 3519.53,4067.68 R8_DX_TOP.4@4234.05,4067.68 ; SR_DX_TOP.11@4208.19,4170.24 4208.19,4128.78 4235.95,4101.02 R8_DX_TOP.4@4235.95,4068.86
NetC3_K12_2: C3_K12.2 ENC_K12.B R8_DX_TOP.2 SR_DX_TOP.13 | length 944.1
  Top Layer w15: R8_DX_TOP.2@4297.24,4068.9 4298.6,4067.54 4298.6,4044.22 4307.39,4035.43 4343.77,4035.43 4420.55,3958.65 4721.8,3958.65 4759.57,3996.42 C3_K12.2@4940.47,3996.42 4940.47,3879.13 ENC_K12.B@4938.03,3876.69 ; R8_DX_TOP.2@4298.94,4068.9 4298.94,4134.5 4301.91,4137.47 4301.91,4163.96 SR_DX_TOP.13@4308.19,4170.24
NetC3_K13_2: C3_K13.2 ENC_K13.B R7_SX_TOP.2 SR_SX_TOP.5 | length 964.7
  Top Layer w15: ENC_K13.B@774.29,4757.68 774.29,4637.95 774.29,4588.15 835,4527.44 1401.27,4527.44 1411.42,4517.3 1411.42,4450.74 1411.73,4450.43 1411.73,4428.02 1410.94,4427.24 1408.44,4424.74 1408.44,4399 SR_SX_TOP.5@1402.17,4392.72
NetC3_K14_2: C3_K14.2 ENC_K14.B R7_SX_TOP.4 SR_SX_TOP.3 | length 1077
  Top Layer w15: SR_SX_TOP.3@1502.17,4392.72 1502.17,4431.93 1475.17,4458.93 1475.17,4475.65 1474.41,4476.41 R7_SX_TOP.4@1474.41,4494.09 2137.4,4494.09 2227.99,4584.69 ENC_K14.B@2227.99,4757.68
NetC3_K15_2: C3_K15.2 ENC_K15.B R7_DX_TOP.2 SR_DX_TOP.5 | length 888.4
  Top Layer w15: ENC_K15.B@3677.24,4758.35 3677.24,4643.62 3692.46,4628.41 3692.46,4621.3 3701.25,4612.52 3702.18,4612.52 3787.68,4527.01 4218.67,4527.01 4218.97,4527.31 4255.3,4527.31 4265.75,4516.86 4265.75,4450.74 4266.06,4450.43 4266.06,4428.02 4265.28,4427.24 4262.78,4424.74 4262.78,4399 SR_DX_TOP.5@4256.5,4392.72
NetC3_K16_2: C3_K16.2 ENC_K16.B R7_DX_TOP.4 SR_DX_TOP.3 | length 422.9
  Top Layer w15: R7_DX_TOP.4@4328.74,4494.09 4328.74,4476.41 4329.5,4475.65 4329.5,4458.93 4356.5,4431.93 SR_DX_TOP.3@4356.5,4392.72 ; 5024.33,4494.76 5132.95,4603.39 C3_K16.2@5132.95,4637.95 ; ENC_K16.B@5130.94,4758.35 5130.94,4643.62 C3_K16.2@5135.94,4638.62
NetC8_2: C8.2 R7_BTN_FUNC.4 SR_BTN_FUNC.3 SW1.1 | length 1217.3
  Top Layer w12: SW1.1@95.47,3750 95.47,3189.49 365.39,2919.57 v1(365.39,2918.62) ; R7_BTN_FUNC.4@496.06,2901.57 498.92,2904.43 510.73,2904.43 535.63,2929.33 SR_BTN_FUNC.3@597.44,2929.33
  Bottom Layer w12: v1(365.39,2918.62) 365.52,2918.75 523.28,2918.75 v1(523.41,2918.88) 524.84,2917.45 v1@524.84,2916.34
NetC9_2: C9.2 R8_BTN_FUNC.4 SR_BTN_FUNC.11 SW2.1 | length 5811.1
  Top Layer w12: SR_BTN_FUNC.11@819.88,2779.33 875.94,2779.33 876.02,2779.25 893.43,2779.25 R8_BTN_FUNC.4@921.26,2807.09 921.26,2772.87 933.55,2760.59 1017.04,2760.59 1079.88,2823.43 v2(5284.09,2823.43) ; v2(5495.98,2818.78) 5658.58,2818.78 5676.22,2801.14 5676.22,2702.64 5613.31,2639.72 C9.2@5613.31,2132.95 5613.19,2132.83 SW2.1@5613.19,1958.66
  Bottom Layer w12: v2(5284.09,2823.43) 5286.42,2821.1 5493.66,2821.1 v2(5495.98,2818.78)
NetC10_2: C10.2 R7_BTN_FUNC.3 SR_BTN_FUNC.4 SW3.1 | length 626.7
  Top Layer w12: SW3.1@95.47,2765.75 113.19,2783.46 C10.2@336.89,2783.46 336.89,2842.6 v1(365.39,2871.1) ; R7_BTN_FUNC.3@496.06,2870.08 588.19,2870.08 SR_BTN_FUNC.4@597.44,2879.33
  Bottom Layer w12: v1(365.39,2871.1) 365.73,2870.77 538.09,2870.77 v1(538.43,2870.43)
NetC11_2: C11.2 R8_BTN_FUNC.3 SR_BTN_FUNC.12 SW4.1 | length 5044.6
  Top Layer w12: SR_BTN_FUNC.12@819.88,2829.33 828.13,2837.58 931.12,2837.58 938.76,2829.94 944.78,2829.94 952.98,2821.74 952.98,2787.86 960.25,2780.59 1008.76,2780.59 1083.13,2854.96 5185.79,2854.96 5204.45,2873.62 v2(5282.24,2873.62) ; v2(5496.89,2872.68) 5567.13,2942.91 SW4.1@5613.19,2942.91 5613.19,3074.84 C11.2@5616.38,3078.03
  Bottom Layer w12: v2(5282.24,2873.62) 5282.72,2873.15 5496.42,2873.15 v2(5496.89,2872.68)
NetC12_2: C12.2 R8_BTN_FUNC.2 SR_BTN_FUNC.13 SW5.1 | length 6084.3
  Top Layer w12: SR_BTN_FUNC.13@819.88,2879.33 870.24,2879.33 879.49,2870.08 R8_BTN_FUNC.2@921.26,2870.08 940.79,2870.08 955.35,2884.65 v1(955.35,2936.57) v1@957.16,2938.38 ; v1(1035.87,2936.1) 1083.07,2888.9 5165.39,2888.9 5201.22,2924.72 v2(5282.24,2924.72) ; v2(5568.43,2870.39) 5641.42,2870.39 5675.69,2904.66 5675.69,3114.23 5609.69,3180.24 C12.2@5609.69,3547.36 5660.43,3598.11 5660.43,3879.92 SW5.1@5613.19,3927.17
  Bottom Layer w12: v1(955.35,2936.57) 955.59,2936.34 1035.63,2936.34 v1(1035.87,2936.1) ; v2(5282.24,2924.72) 5518.27,2924.72 5568.43,2874.57 v2(5568.43,2870.39)
NetC13_2: C13.2 R7_BTN_FUNC.2 SR_BTN_FUNC.5 SW6.1 | length 1481.4
  Top Layer w12: SW6.1@95.47,1781.5 45.43,1831.54 45.43,2065.35 96.18,2116.1 C13.2@96.18,2158.5 96.18,2356.57 377.99,2638.39 v1(377.99,2839.09) ; R7_BTN_FUNC.2@496.06,2838.58 588.19,2838.58 SR_BTN_FUNC.5@597.44,2829.33
  Bottom Layer w12: v1(377.99,2839.09) 378.19,2838.9 537.76,2838.9 v1(537.95,2838.7)
NetLED_K01_2: LED_K01.2 LED_K02.5 | length 779.2
  Top Layer w15: LED_K01.2@1040.35,955.68 1102.11,1017.44 1705.51,1017.44 1766.54,956.42 LED_K02.5@1766.54,954.29
NetLED_K01_5: LED_K01.5
NetLED_K02_2: LED_K02.2 LED_K03.5 | length 2239.9
  Top Layer w15: LED_K02.2@1766.54,383.43 1838.11,455 3877.57,455 3909.4,423.17 LED_K03.5@3947.75,384.82
NetLED_K03_2: LED_K03.2 LED_K04.5 | length 776.6
  Top Layer w15: LED_K03.2@3947.75,955.68 4007.94,1015.87 4612.36,1015.87 LED_K04.5@4673.94,954.29
NetLED_K05_2: LED_K05.2 LED_K06.5 | length 829.5
  Top Layer w15: LED_K05.2@1040.31,2413.98 1045.06,2409.24 1045.06,2381.48 1092.64,2333.9 1721.89,2333.9 1764.57,2376.58 LED_K06.5@1764.57,2414.75
NetLED_K05_5: LED_K05.5
NetLED_K06_2: LED_K06.2 LED_K07.5 | length 2274.1
  Top Layer w15: LED_K06.2@1764.57,1843.88 1873.99,1953.31 3837.52,1953.31 LED_K07.5@3947.72,1843.11
NetLED_K07_2: LED_K07.2 LED_K08.5 | length 832.9
  Top Layer w15: LED_K07.2@3947.72,2413.98 3947.72,2375.67 3997.09,2326.3 4606.06,2326.3 4662.79,2383.02 4662.79,2405.57 LED_K08.5@4671.97,2414.75
NetLED_K09_2: LED_K09.2 LED_K10.5 | length 793.2
  Top Layer w15: LED_K09.2@1040.35,3873.09 1121.98,3791.46 1686.3,3791.46 LED_K10.5@1766.54,3871.69
NetLED_K09_5: LED_K09.5
NetLED_K10_2: LED_K10.2 LED_K11.5 | length 2241.8
  Top Layer w15: LED_K10.2@1766.54,3300.83 1840.31,3374.61 3875.37,3374.61 LED_K11.5@3947.75,3302.22
NetLED_K11_2: LED_K11.2 LED_K12.5 | length 790.1
  Top Layer w15: LED_K11.2@3947.75,3873.09 3947.75,3872.8 4025.08,3795.47 4597.72,3795.47 LED_K12.5@4673.94,3871.69
NetLED_K13_2: LED_K13.2 LED_K14.5 | length 826.8
  Top Layer w15: LED_K13.2@1040.31,5331.38 1049.5,5322.2 1049.5,5299.56 1100.04,5249.02 1716.84,5249.02 1764.57,5296.74 LED_K14.5@1764.57,5332.15
NetLED_K13_5: LED_K13.5
NetLED_K14_2: LED_K14.2 LED_K15.5 | length 2204
  Top Layer w15: LED_K14.2@1764.57,4761.28 1904.19,4900.91 2334.72,4900.91 2619.92,4615.71 2854.84,4615.71 2922.85,4683.72 2922.85,5161 3014.96,5253.11 3129.44,5253.11 3146.71,5270.37 3154.86,5270.37 LED_K15.5@3216.34,5331.85
NetLED_K15_2: LED_K15.2 LED_K16.5 | length 1676.5
  Top Layer w15: LED_K15.2@3216.34,4760.98 3303.24,4847.89 4642.39,4847.89 4687.13,4803.15 4687.13,4741.38 LED_K16.5@4750.35,4678.15
NetR1_1: R1.1 U2.3 | length 316.1
  Top Layer w12: U2.3@5050.28,4362.91 5051.1,4363.74 5171.26,4363.74 5211.1,4403.58 R1.1@5211.1,4541.97
NetR2_1: R2.1 | length 439.4
  Top Layer w15: 4096.38,4734.96 4096.38,4724.53 4172.48,4648.43 4371.61,4648.43 4445.02,4575.01 4445.02,4568.33 R2.1@4453.27,4560.08
NetR3_1: R3.1 | length 508.5
  Top Layer w15: 3996.69,4725.63 3996.69,4692.36 4075.98,4613.07 4372.91,4613.07 4404.65,4581.34 R3.1@4404.65,4560
NetR4_1: R4.1 U2.6 | length 72.6
  Top Layer w12: R4.1@4978.03,4212.09 4978.86,4212.91 U2.6@5050.28,4212.91
NetR5_1: R5.1 U2.8 | length 91.3
  Top Layer w12: U2.8@5256.97,4162.91 5304.65,4162.91 R5.1@5335.51,4193.78
NetR6_1: R6.1 U2.11 | length 78.9
  Top Layer w12: U2.11@5256.97,4312.91 5335.04,4312.91 R6.1@5335.63,4313.5
NetR7_BTN_FUNC_1: R7_BTN_FUNC.1 SR_BTN_FUNC.6 | length 112.9
  Top Layer w12: R7_BTN_FUNC.1@496.06,2807.09 527.24,2807.09 547.22,2787.11 589.66,2787.11 SR_BTN_FUNC.6@597.44,2779.33
NetR8_BTN_FUNC_1: R8_BTN_FUNC.1 SR_BTN_FUNC.14 | length 112.9
  Top Layer w12: SR_BTN_FUNC.14@819.88,2929.33 863.43,2929.33 889.37,2903.39 919.45,2903.39 R8_BTN_FUNC.1@921.26,2901.57
NetSR_BTN_BOT_9: SR_BTN_BOT.9 SR_SX_BOT.10 | length 1641.6
  Top Layer w15: SR_SX_BOT.10@1547.17,1548.39 1547.17,1587.95 1569.42,1610.2 1581.84,1610.2 1585.51,1606.54 2400.87,1606.54 2531.34,1476.06 3001.97,1476.06 3026.3,1500.39 SR_BTN_BOT.9@3026.3,1548.39
NetSR_BTN_FUNC_9: SR_BTN_FUNC.9 SR_SX_TOP.10 | length 2549.2
  Top Layer w15: SR_BTN_FUNC.9@819.88,2677.36 768.15,2677.36 732.84,2712.67 732.84,2980.43 377.91,3335.35 377.91,3991.34 480.2,4093.62 1265.51,4093.62 1302.17,4130.28 SR_SX_TOP.10@1302.17,4170.28
NetSR_BTN_TOP_9: SR_BTN_TOP.9 SR_DX_TOP.10 | length 1655.7
  Top Layer w15: SR_BTN_TOP.9@2677.36,4170.28 2677.36,4228.26 2686.15,4237.05 3959.37,4237.05 4095.35,4101.06 4138.35,4101.06 4156.5,4119.21 SR_DX_TOP.10@4156.5,4170.28
NetSR_DX_BOT_9: SR_BTN_BOT.10 SR_DX_BOT.9 | length 1661
  Top Layer w15: SR_BTN_BOT.10@2974.33,1548.39 2974.33,1594.21 3001.06,1620.94 3378.46,1620.94 3540.47,1458.94 4399.49,1458.94 4453.46,1512.91 SR_DX_BOT.9@4453.46,1548.39
NetSR_DX_TOP_9: SR_DX_TOP.9 | length 1092.1
  Top Layer w15: SR_DX_TOP.9@4104.53,4170.28 4127.22,4192.96 4127.22,4211.14 4171.47,4255.39 4479.21,4255.39 4494.47,4270.65 4494.47,4574.26 4379.56,4689.17 4244.25,4689.17 4209.96,4723.46
NetSR_SX_BOT_9: SR_BTN_FUNC.10 SR_SX_BOT.9 | length 2864.7
  Top Layer w15: SR_BTN_FUNC.10@819.88,2729.33 892.64,2729.33 930.32,2691.65 930.32,2577.56 839.13,2486.38 587.61,2486.38 388.71,2287.48 388.71,1677.15 608.46,1457.4 1530.98,1457.4 1599.13,1525.55 SR_SX_BOT.9@1599.13,1548.39
NetSR_SX_TOP_9: SR_BTN_TOP.10 SR_SX_TOP.9 | length 1633.4
  Top Layer w15: SR_SX_TOP.9@1250.2,4170.28 1250.2,4188.98 1281.44,4220.22 2340.96,4220.22 2473.58,4087.6 2703.74,4087.6 2729.33,4113.19 SR_BTN_TOP.10@2729.33,4170.28
NetU2_2: U2.2 | length 652.6
  Top Layer w12: 4635.31,4740.12 4633.23,4738.03 4633.23,4570.87 4791.18,4412.91 U2.2@5050.28,4412.91
NetU2_5: U2.5 | length 969.3
  Top Layer w12: 4316.73,4728.94 4370.2,4728.94 4558.17,4540.97 4558.17,4467.97 4763.23,4262.91 U2.5@5050.28,4262.91
NetU2_9: U2.9 | length 1057.7
  Top Layer w12: 4410.71,4723.35 4846.32,4287.74 5093.2,4287.74 5168.03,4212.91 U2.9@5256.97,4212.91
NetU2_12: U2.12 | length 950.5
  Top Layer w12: 4513.54,4721.26 4513.54,4656.22 4831.68,4338.09 5173.89,4338.09 5198.72,4362.91 U2.12@5256.97,4362.91
nPL: R2.2 SR_BTN_BOT.1 SR_BTN_FUNC.1 SR_BTN_TOP.1 SR_DX_BOT.1 SR_DX_TOP.1 SR_SX_BOT.1 SR_SX_TOP.1 | length 11556
  Top Layer w15: SR_DX_BOT.1@4099.53,1325.94 3536,1325.94 3428.2,1433.74 2713.07,1433.74 2672.36,1393.03 SR_BTN_BOT.1@2672.36,1325.94 2541.97,1325.94 2455.74,1412.17 2448.3,1419.61 1318.43,1419.61 1267.89,1369.07 1267.89,1348.63 SR_SX_BOT.1@1245.2,1325.94 630.94,1325.94 339.84,1617.05 339.84,2283.62 709.84,2653.62 709.84,2937.08 638.31,3008.61 620.13,3008.61 SR_BTN_FUNC.1@597.44,3031.3 540.59,3031.3 346.3,3225.59 346.3,4111.69 505.75,4271.14 1524.25,4271.14 1604.13,4351.02 SR_SX_TOP.1@1604.13,4392.72 1715.16,4281.69 2986.57,4281.69 3031.3,4326.42 SR_BTN_TOP.1@3031.3,4392.72 3253.81,4392.72 3360.66,4285.87 4412.01,4285.87 4464.33,4338.19 4464.33,4386.85 SR_DX_TOP.1@4458.46,4392.72 4458.46,4487.95 R2.2@4453.27,4493.15
pads on no net: SR_BTN_BOT.7 SR_BTN_FUNC.7 SR_BTN_TOP.7 SR_DX_BOT.7 SR_DX_TOP.7 SR_SX_BOT.7 SR_SX_TOP.7 U1.2 U1.3 U1.4 U1.5 U1.6 U1.7 U1.8 U1.9 U1.10 U1.11 U1.12 U1.13 U1.14 U1.15 U1.16 U1.17 U1.18 U1.19 U1.20 U1.22

## Polygon pours and split planes (outlines as drawn)
GND on Bottom Layer "NONET_L01_P-001" (solid, pour order 0): 0,0 5708.66,0 5708.66,5708.66 0,5708.66